# KiCad board io_board.kicad_pcb
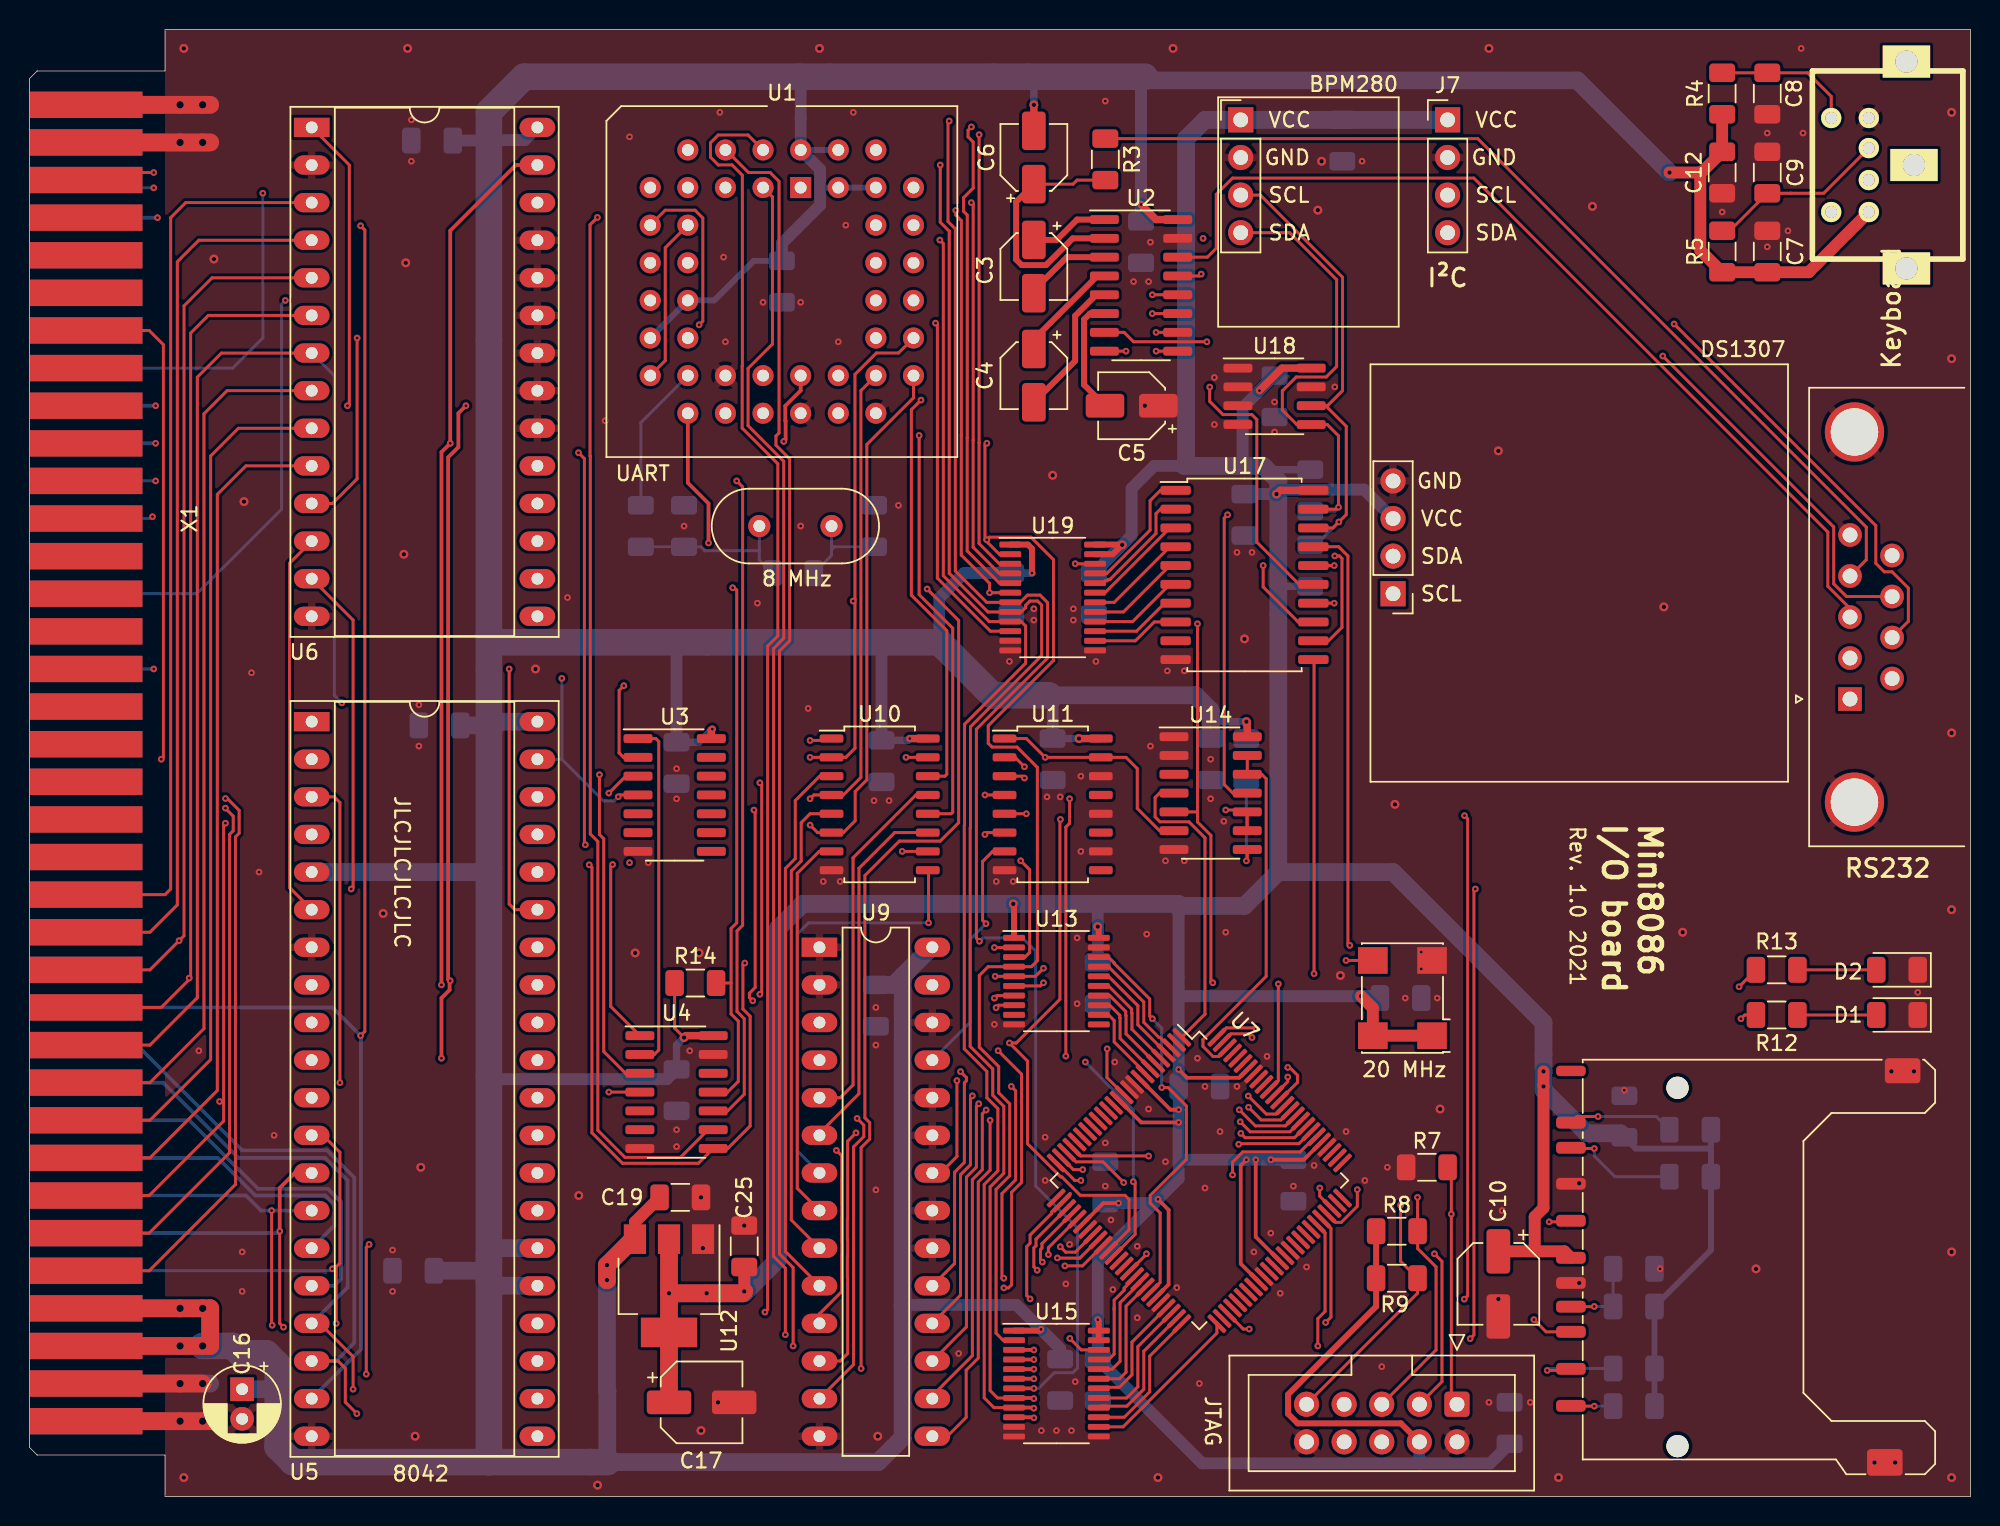
[diagram p0: board, top side]
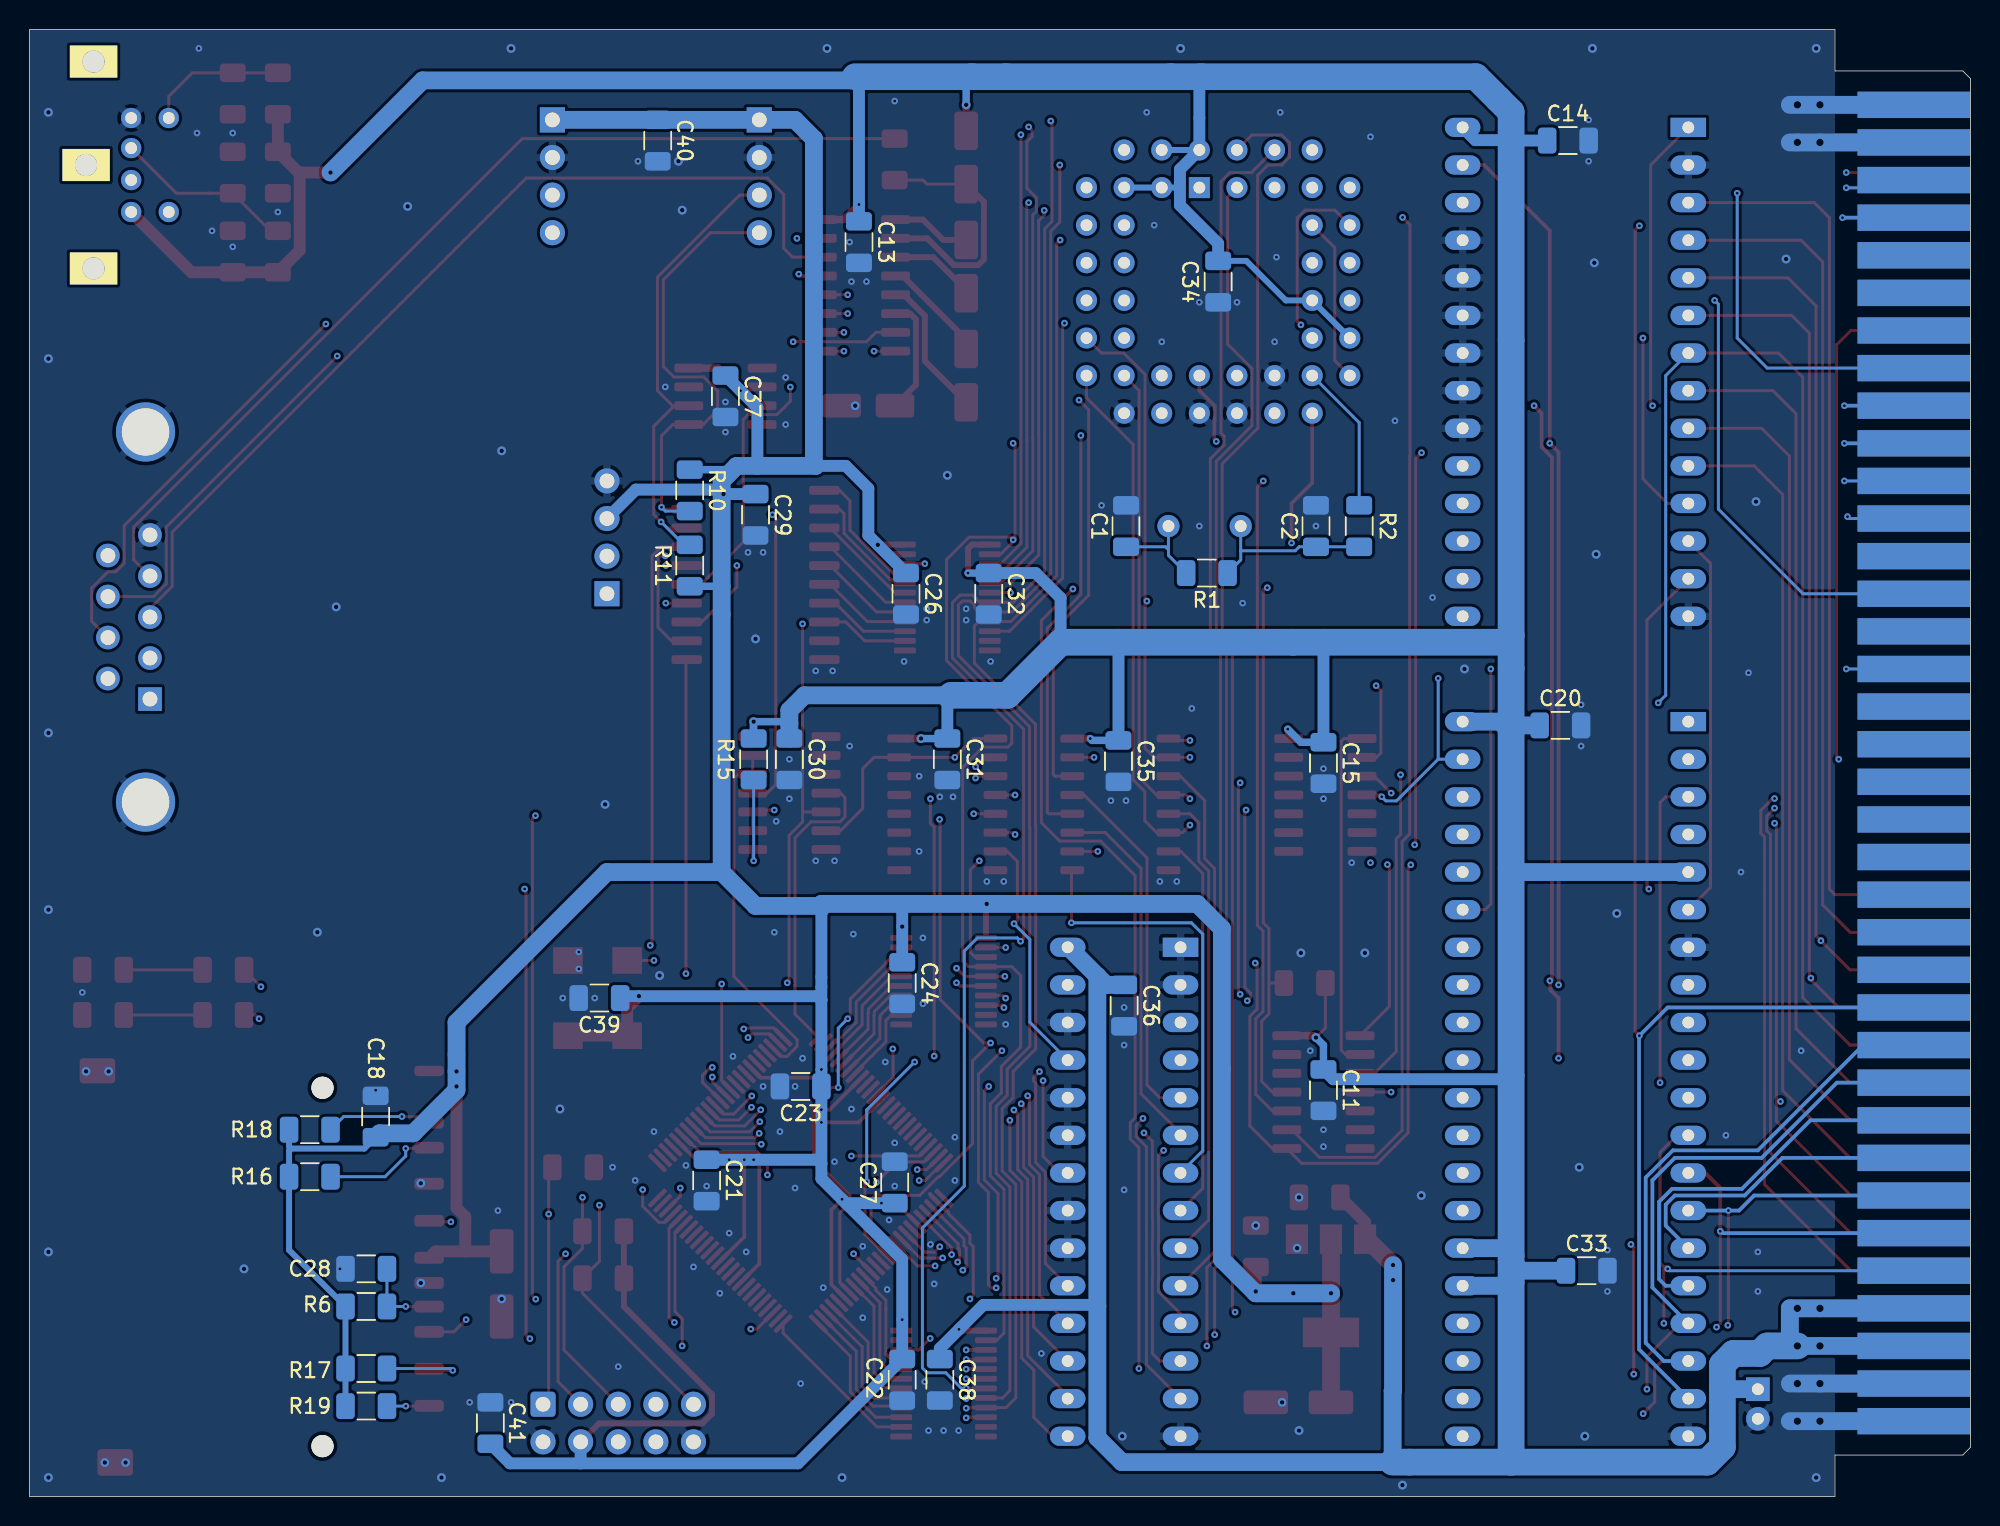
[diagram p1: board, bottom side, seen from below]

Outline 131.06 x 99.06 mm; copper layers: Top, In1.Cu, In2.Cu, Bottom. Coordinates in mm from the lower left corner of the outline.
Outline path: 0,95.76 0.51,96.27 9.14,96.27 9.14,99.06 131.06,99.06 131.06,0 9.14,0 9.14,2.79 0.51,2.79 0,3.3 0,95.76

## Placement (name value [footprint] x y rotation side)
C1  27p  [C_1206_3216Metric]  57.02 65.53 90 bottom
C2  27p  [C_1206_3216Metric]  44.2 65.53 90 bottom
C3  10µ  [CP_Elec_4x3.9]  67.82 83.06 270 top
C4  10µ  [CP_Elec_4x3.9]  67.82 75.69 270 top
C5  10µ  [CP_Elec_4x3.9]  74.42 73.66 180 top
C6  10µ  [CP_Elec_4x3.9]  67.82 90.42 90 top
C7  47p  [C_1206_3216Metric]  117.35 84.07 90 top
C8  47p  [C_1206_3216Metric]  117.35 94.74 270 top
C9  47p  [C_1206_3216Metric]  117.35 89.41 90 top
C10  47µ  [CP_Elec_5x5.4]  99.19 14.35 270 top
C11  100n  [C_1206_3216Metric]  43.69 27.44 270 bottom
C12  100n  [C_1206_3216Metric]  114.3 89.41 270 top
C13  100n  [C_1206_3216Metric]  75.06 84.71 270 bottom
C14  100n  [C_1206_3216Metric]  27.18 91.57 180 bottom
C15  100n  [C_1206_3216Metric]  43.69 49.53 270 bottom
C16  47µ  [CP_Radial_D5.0mm_P2.00mm]  14.35 7.24 270 top
C17  100µ  [CP_Elec_5x5.4]  45.38 6.35 0 top
C18  100n  [C_1206_3216Metric]  107.7 25.65 90 bottom
C19  100n  [C_1206_3216Metric]  43.94 20.19 0 top
C20  100n  [C_1206_3216Metric]  27.69 52.07 180 bottom
C21  100n  [C_1206_3216Metric]  85.34 21.34 270 bottom
C22  100n  [C_1206_3216Metric]  72.14 7.87 270 bottom
C23  100n  [C_1206_3216Metric]  78.99 27.69 0 bottom
C24  100n  [C_1206_3216Metric]  72.14 34.67 270 bottom
C25  100n  [C_1206_3216Metric]  48.26 16.89 90 top
C26  100n  [C_1206_3216Metric]  71.88 60.96 270 bottom
C27  100n  [C_1206_3216Metric]  72.64 21.21 90 bottom
C28  10n  [C_1206_3216Metric]  108.33 15.37 0 bottom
C29  100n  [C_1206_3216Metric]  82.04 66.29 270 bottom
C30  100n  [C_1206_3216Metric]  79.76 49.78 270 bottom
C31  100n  [C_1206_3216Metric]  69.09 49.78 270 bottom
C32  100n  [C_1206_3216Metric]  66.29 60.96 270 bottom
C33  100n  [C_1206_3216Metric]  25.91 15.24 180 bottom
C34  100n  [C_1206_3216Metric]  50.8 82.04 270 bottom
C35  100n  [C_1206_3216Metric]  57.53 49.66 270 bottom
C36  100n  [C_1206_3216Metric]  57.15 33.15 270 bottom
C37  100n  [C_1206_3216Metric]  84.07 74.3 270 bottom
C38  100n  [C_1206_3216Metric]  69.6 7.87 270 bottom
C39  100n  [C_1206_3216Metric]  92.58 33.66 0 bottom
C40  100n  [C_1206_3216Metric]  88.65 91.57 270 bottom
C41  100n  [C_1206_3216Metric]  99.95 4.95 90 bottom
D1  green  [LED_1206_3216Metric]  126.11 32.51 180 top
D2  red  [LED_1206_3216Metric]  126.11 35.56 180 top
J1  RS232  [DSUB-9_Male_Horizontal_P2.77x2.84mm_EdgePinOffset4.94mm_Housed_MountingHolesOffset7.48mm]  122.94 53.85 90 top
J2  Keyboard  [Mini_din6]  125.48 89.92 90 top
J3  SD_Card  [SD_Kyocera_145638109211859+]  116.59 15.49 90 top
J4  JTAG  [IDC-Header_2x05_P2.54mm_Vertical]  96.39 6.22 270 top
J5  DS1307  [PinHeader_1x04_P2.54mm_Vertical]  92.08 60.96 180 top
J6  BME280  [PinHeader_1x04_P2.54mm_Vertical]  81.79 92.96 0 top
J7  I²C  [PinHeader_1x04_P2.54mm_Vertical]  95.76 92.96 0 top
R1  1M  [R_1206_3216Metric]  51.56 62.36 0 bottom
R2  47  [R_1206_3216Metric]  41.28 65.53 90 bottom
R3  3K3  [R_1206_3216Metric]  72.64 90.3 270 top
R4  6K8  [R_1206_3216Metric]  114.3 94.74 90 top
R5  6K8  [R_1206_3216Metric]  114.3 84.07 90 top
R6  4K7  [R_1206_3216Metric]  108.33 12.83 180 bottom
R7  2K2  [R_1206_3216Metric]  94.36 22.22 180 top
R8  10K  [R_1206_3216Metric]  92.33 17.91 180 top
R9  10K  [R_1206_3216Metric]  92.33 14.73 180 top
R10  1K8  [R_1206_3216Metric]  86.49 67.94 270 bottom
R11  1K8  [R_1206_3216Metric]  86.49 62.87 90 bottom
R12  100  [R_1206_3216Metric]  117.98 32.51 0 top
R13  100  [R_1206_3216Metric]  117.98 35.56 0 top
R14  1K  [R_1206_3216Metric]  44.96 34.67 0 top
R15  2K2  [R_1206_3216Metric]  82.17 49.78 270 bottom
R16  4K7  [R_1206_3216Metric]  112.14 21.59 180 bottom
R17  4K7  [R_1206_3216Metric]  108.33 8.64 180 bottom
R18  4K7  [R_1206_3216Metric]  112.14 24.77 180 bottom
R19  4K7  [R_1206_3216Metric]  108.33 6.1 180 bottom
U1  ST16C550CJ44  [PLCC-44_THT-Socket]  52.07 88.39 0 top
U2  MAX232  [SOIC-16_3.9x9.9mm_P1.27mm]  75.06 81.79 0 top
U3  74HC07  [SOIC-14_3.9x8.7mm_P1.27mm]  43.56 47.37 0 top
U4  74HCT04  [SOIC-14_3.9x8.7mm_P1.27mm]  43.69 27.31 0 top
U5  8042  [DIP-40_W15.24mm_Socket_LongPads]  19.05 52.32 0 top
U6  27C512  [DIP-28_W15.24mm_Socket_LongPads]  19.05 92.46 0 top
U7  EPM240T100  [LQFP-100_14x14mm_P0.5mm]  78.99 21.34 315 top
U9  62256  [DIP-28_W7.62mm_LongPads]  53.34 37.08 0 top
U10  74HC367  [SOIC-16_4.55x10.3mm_P1.27mm]  57.4 46.74 0 top
U11  74HC367  [SOIC-16_4.55x10.3mm_P1.27mm]  69.09 46.74 0 top
U12  AMS1117-3.3  [SOT-223-3_TabPin2]  43.18 14.22 270 top
U13  SN74LVC245A  [TSSOP-20_4.4x6.5mm_P0.65mm]  69.34 34.8 0 top
U14  74HCT32  [SOIC-14_3.9x8.7mm_P1.27mm]  79.76 47.5 0 top
U15  SN74LVC8T245PWR  [TSSOP-24_4.4x7.8mm_P0.65mm]  69.34 7.62 0 top
U17  PCA9564D  [SOIC-20W_7.5x12.8mm_P1.27mm]  82.04 62.23 0 top
U18  24C04  [SOIC-8_3.9x4.9mm_P1.27mm]  84.07 74.3 0 top
U19  SN74AVC8T245PW  [TSSOP-24_4.4x7.8mm_P0.65mm]  69.09 60.71 0 top
X1  Edge72  [BUS_72]  3.81 5.08 270 top
X2  20 MHz  [Oscillator_SMD_Abracon_ASV-4Pin_7.0x5.1mm]  92.71 33.66 90 top
Y1  8 MHz  [Crystal_HC49-U_Vertical]  49.28 65.53 0 top

## Library data of the parts
C1 C2 C7-C9 C11-C15 C18-C41 = -: Description: Unpolarized capacitor
D1 D2 = -: Description: Light emitting diode
J2 = -: Description: 6-pin Mini-DIN connector
J3 = -: Description: SD Card Reader
J4 = -: Description: Generic connector, double row, 02x05, odd/even pin numbering scheme (row 1 odd numbers, row 2 even numbers), script generated (kicad-library-utils/schlib/autogen/connector/)
J5-J7 = -: Description: Generic connector, single row, 01x04, script generated (kicad-library-utils/schlib/autogen/connector/)
R1 R2 R12 R13 = -: Description: Resistor, small symbol
R3-R11 R14-R19 = -: Description: Resistor
U1 = -: Description: ST16C550CJ44, Universal Asynchronous Receiver/Transmitter with FIFOs, PLC-44
U2 = -: Description: Dual RS232 driver/receiver, 5V supply, 120kb/s, 0C-70C
U3 = -: Description: Hex Buffers and Drivers With Open Collector High Voltage Outputs
U4 = -: Description: Hex Inverter
U5 = -: Description: MCS-48 8-bit Microcontroller, No (EP)ROM, 256B RAM, DIP-40
U6 = -: Description: OTP EPROM 512 KiBit
U7 = -: Description: Altera MAX2 CPLD with 240 LE
U9 = -: Description: 256K (32K x 8) Static RAM, 70ns, DIP-28
U10 U11 = -: Description: Hex Bus Driver 3-state outputs
U12 = -: Description: 1A Low Dropout regulator, positive, 3.3V fixed output, SOT-223
U13 = -: Description: Octal BUS Transceivers, 3-State outputs
U14 = -: Description: Quad 2-input OR
U15 U19 = -: Description: 8-Bit Dual-Supply Bus Transceiver With Configurable Voltage Translation and 3-State Outputs, TSSOP-24
U17 = -: Description: I2C Bus Controller, SOIC-20
U18 = -: Description: 2Kb (256x8) I2C Serial EEPROM, 2.5-5.5V, SOIC-8
X2 = -: Description: 3.3V HCMOS SMD Crystal Clock Oscillator, Abracon
Y1 = -: Description: Two pin crystal

## Footprints (pads in the part's own frame, mm; a bottom-side part is the same pattern mirrored in y, then rotated)
BUS_72
  rect 1.78x7.62 smd: 1(0,0) 2(-2.54,0) 3(-5.08,0) 4(-7.62,0) 5(-10.16,0) 6(-12.7,0) 7(-15.24,0) 8(-17.78,0) 9(-20.32,0) 10(-22.86,0) 11(-25.4,0) 12(-27.94,0) 13(-30.48,0) 14(-33.02,0) 15(-35.56,0) 16(-38.1,0) 17(-40.64,0) 18(-43.18,0) 19(-45.72,0) 20(-48.26,0) 21(-50.8,0) 22(-53.34,0) 23(-55.88,0) 24(-58.42,0) 25(-60.96,0) 26(-63.5,0) 27(-66.04,0) 28(-68.58,0) 29(-71.12,0) 30(-73.66,0) 31(-76.2,0) 32(-78.74,0) 33(-81.28,0) 34(-83.82,0) 35(-86.36,0) 36(-88.9,0)
  rect 1.78x7.62 smd far side: 37(0,0) 38(-2.54,0) 39(-5.08,0) 40(-7.62,0) 41(-10.16,0) 42(-12.7,0) 43(-15.24,0) 44(-17.78,0) 45(-20.32,0) 46(-22.86,0) 47(-25.4,0) 48(-27.94,0) 49(-30.48,0) 50(-33.02,0) 51(-35.56,0) 52(-38.1,0) 53(-40.64,0) 54(-43.18,0) 55(-45.72,0) 56(-48.26,0) 57(-50.8,0) 58(-53.34,0) 59(-55.88,0) 60(-58.42,0) 61(-60.96,0) 62(-63.5,0) 63(-66.04,0) 64(-68.58,0) 65(-71.12,0) 66(-73.66,0) 67(-76.2,0) 68(-78.74,0) 69(-81.28,0) 70(-83.82,0) 71(-86.36,0) 72(-88.9,0)
C_1206_3216Metric
  rrect 1.25x1.75 smd: 1(-1.4,0) 2(1.4,0)
CP_Elec_4x3.9
  rrect 2.6x1.6 smd: 1(-1.8,0) 2(1.8,0)
CP_Elec_5x5.4
  rrect 3x1.6 smd: 1(-2.2,0) 2(2.2,0)
CP_Radial_D5.0mm_P2.00mm
  rect 1.6x1.6 hole 0.8: 1(0,0)
  round 1.6 hole 0.8: 2(2,0)
Crystal_HC49-U_Vertical
  round 1.5 hole 0.8: 1(0,0) 2(4.88,0)
DIP-28_W7.62mm_LongPads
  rect 2.4x1.3 hole 0.8: 1(0,0)
  oval 2.4x1.3 hole 0.8: 2(0,-2.54) 3(0,-5.08) 4(0,-7.62) 5(0,-10.16) 6(0,-12.7) 7(0,-15.24) 8(0,-17.78) 9(0,-20.32) 10(0,-22.86) 11(0,-25.4) 12(0,-27.94) 13(0,-30.48) 14(0,-33.02) 15(7.62,-33.02) 16(7.62,-30.48) 17(7.62,-27.94) 18(7.62,-25.4) 19(7.62,-22.86) 20(7.62,-20.32) 21(7.62,-17.78) 22(7.62,-15.24) 23(7.62,-12.7) 24(7.62,-10.16) 25(7.62,-7.62) 26(7.62,-5.08) 27(7.62,-2.54) 28(7.62,0)
DIP-28_W15.24mm_Socket_LongPads
  rect 2.4x1.3 hole 0.8: 1(0,0)
  oval 2.4x1.3 hole 0.8: 2(0,-2.54) 3(0,-5.08) 4(0,-7.62) 5(0,-10.16) 6(0,-12.7) 7(0,-15.24) 8(0,-17.78) 9(0,-20.32) 10(0,-22.86) 11(0,-25.4) 12(0,-27.94) 13(0,-30.48) 14(0,-33.02) 15(15.24,-33.02) 16(15.24,-30.48) 17(15.24,-27.94) 18(15.24,-25.4) 19(15.24,-22.86) 20(15.24,-20.32) 21(15.24,-17.78) 22(15.24,-15.24) 23(15.24,-12.7) 24(15.24,-10.16) 25(15.24,-7.62) 26(15.24,-5.08) 27(15.24,-2.54) 28(15.24,0)
DIP-40_W15.24mm_Socket_LongPads
  rect 2.4x1.3 hole 0.8: 1(0,0)
  oval 2.4x1.3 hole 0.8: 2(0,-2.54) 3(0,-5.08) 4(0,-7.62) 5(0,-10.16) 6(0,-12.7) 7(0,-15.24) 8(0,-17.78) 9(0,-20.32) 10(0,-22.86) 11(0,-25.4) 12(0,-27.94) 13(0,-30.48) 14(0,-33.02) 15(0,-35.56) 16(0,-38.1) 17(0,-40.64) 18(0,-43.18) 19(0,-45.72) 20(0,-48.26) 21(15.24,-48.26) 22(15.24,-45.72) 23(15.24,-43.18) 24(15.24,-40.64) 25(15.24,-38.1) 26(15.24,-35.56) 27(15.24,-33.02) 28(15.24,-30.48) 29(15.24,-27.94) 30(15.24,-25.4) 31(15.24,-22.86) 32(15.24,-20.32) 33(15.24,-17.78) 34(15.24,-15.24) 35(15.24,-12.7) 36(15.24,-10.16) 37(15.24,-7.62) 38(15.24,-5.08) 39(15.24,-2.54) 40(15.24,0)
DSUB-9_Male_Horizontal_P2.77x2.84mm_EdgePinOffset4.94mm_Housed_MountingHolesOffset7.48mm
  round 4 hole 3.2: 0(-6.96,-0.3) 0(18.04,-0.3)
  rect 1.6x1.6 hole 1: 1(0,0)
  round 1.6 hole 1: 2(2.77,0) 3(5.54,0) 4(8.31,0) 5(11.08,0) 6(1.385,-2.84) 7(4.155,-2.84) 8(6.925,-2.84) 9(9.695,-2.84)
IDC-Header_2x05_P2.54mm_Vertical
  rrect 1.7x1.7 hole 1: 1(0,0)
  round 1.7 hole 1: 2(2.54,0) 3(0,-2.54) 4(2.54,-2.54) 5(0,-5.08) 6(2.54,-5.08) 7(0,-7.62) 8(2.54,-7.62) 9(0,-10.16) 10(2.54,-10.16)
LED_1206_3216Metric
  rrect 1.25x1.75 smd: 1(-1.4,0) 2(1.4,0)
LQFP-100_14x14mm_P0.5mm
  rrect 1.6x0.3 smd: 1(-7.675,6) 2(-7.675,5.5) 3(-7.675,5) 4(-7.675,4.5) 5(-7.675,4) 6(-7.675,3.5) 7(-7.675,3) 8(-7.675,2.5) 9(-7.675,2) 10(-7.675,1.5) 11(-7.675,1) 12(-7.675,0.5) 13(-7.675,0) 14(-7.675,-0.5) 15(-7.675,-1) 16(-7.675,-1.5) 17(-7.675,-2) 18(-7.675,-2.5) 19(-7.675,-3) 20(-7.675,-3.5) 21(-7.675,-4) 22(-7.675,-4.5) 23(-7.675,-5) 24(-7.675,-5.5) 25(-7.675,-6) 51(7.675,-6) 52(7.675,-5.5) 53(7.675,-5) 54(7.675,-4.5) 55(7.675,-4) 56(7.675,-3.5) 57(7.675,-3) 58(7.675,-2.5) 59(7.675,-2) 60(7.675,-1.5) 61(7.675,-1) 62(7.675,-0.5) 63(7.675,0) 64(7.675,0.5) 65(7.675,1) 66(7.675,1.5) 67(7.675,2) 68(7.675,2.5) 69(7.675,3) 70(7.675,3.5) 71(7.675,4) 72(7.675,4.5) 73(7.675,5) 74(7.675,5.5) 75(7.675,6)
  rrect 0.3x1.6 smd: 26(-6,-7.675) 27(-5.5,-7.675) 28(-5,-7.675) 29(-4.5,-7.675) 30(-4,-7.675) 31(-3.5,-7.675) 32(-3,-7.675) 33(-2.5,-7.675) 34(-2,-7.675) 35(-1.5,-7.675) 36(-1,-7.675) 37(-0.5,-7.675) 38(0,-7.675) 39(0.5,-7.675) 40(1,-7.675) 41(1.5,-7.675) 42(2,-7.675) 43(2.5,-7.675) 44(3,-7.675) 45(3.5,-7.675) 46(4,-7.675) 47(4.5,-7.675) 48(5,-7.675) 49(5.5,-7.675) 50(6,-7.675) 76(6,7.675) 77(5.5,7.675) 78(5,7.675) 79(4.5,7.675) 80(4,7.675) 81(3.5,7.675) 82(3,7.675) 83(2.5,7.675) 84(2,7.675) 85(1.5,7.675) 86(1,7.675) 87(0.5,7.675) 88(0,7.675) 89(-0.5,7.675) 90(-1,7.675) 91(-1.5,7.675) 92(-2,7.675) 93(-2.5,7.675) 94(-3,7.675) 95(-3.5,7.675) 96(-4,7.675) 97(-4.5,7.675) 98(-5,7.675) 99(-5.5,7.675) 100(-6,7.675)
Mini_din6
  round 1.372 hole 0.8: 1(3.175,3.81) 2(3.175,1.27) 3(1.143,1.27) 4(-1.016,1.27) 5(-3.175,1.27) 6(-3.175,3.81)
  rect 2.169x3.2 hole 1.5: GND(-6.985,-1.27) GND(0,-1.778) GND(6.985,-1.27)
Oscillator_SMD_Abracon_ASV-4Pin_7.0x5.1mm
  rect 1.8x2 smd: 1(-2.54,-2) 2(2.54,-2) 3(2.54,2) 4(-2.54,2)
PinHeader_1x04_P2.54mm_Vertical
  rect 1.7x1.7 hole 1: 1(0,0)
  oval 1.7x1.7 hole 1: 2(0,-2.54) 3(0,-5.08) 4(0,-7.62)
PLCC-44_THT-Socket
  rect 1.422x1.422 hole 0.8: 1(0,0)
  round 1.422 hole 0.8: 2(-2.54,2.54) 3(-2.54,0) 4(-5.08,2.54) 5(-5.08,0) 6(-7.62,2.54) 7(-10.16,0) 8(-7.62,0) 9(-10.16,-2.54) 10(-7.62,-2.54) 11(-10.16,-5.08) 12(-7.62,-5.08) 13(-10.16,-7.62) 14(-7.62,-7.62) 15(-10.16,-10.16) 16(-7.62,-10.16) 17(-10.16,-12.7) 18(-7.62,-15.24) 19(-7.62,-12.7) 20(-5.08,-15.24) 21(-5.08,-12.7) 22(-2.54,-15.24) 23(-2.54,-12.7) 24(0,-15.24) 25(0,-12.7) 26(2.54,-15.24) 27(2.54,-12.7) 28(5.08,-15.24) 29(7.62,-12.7) 30(5.08,-12.7) 31(7.62,-10.16) 32(5.08,-10.16) 33(7.62,-7.62) 34(5.08,-7.62) 35(7.62,-5.08) 36(5.08,-5.08) 37(7.62,-2.54) 38(5.08,-2.54) 39(7.62,0) 40(5.08,2.54) 41(5.08,0) 42(2.54,2.54) 43(2.54,0) 44(0,2.54)
R_1206_3216Metric
  rrect 1.25x1.75 smd: 1(-1.4,0) 2(1.4,0)
SD_Kyocera_145638109211859+
  round 1.5 hole 1.5 unplated: (-12.1,5.3) (12.1,5.3)
  rrect 0.8x2 smd: 1(-6.88,12.5) 2(-4.38,12.5) 3(-1.08,12.5) 4(0.62,12.5) 5(3.12,12.5) 6(5.62,12.5) 7(8.05,12.5) 8(9.75,12.5) 9(-9.38,12.5) 10(-2.68,12.5)
  rrect 0.7x2 smd: 11(13.24,12.5)
  rrect 1.7x2.4 smd: 12(13.25,-9.9)
  rrect 1.8x2.4 smd: 13(-13.2,-8.7)
SOIC-8_3.9x4.9mm_P1.27mm
  rrect 1.95x0.6 smd: 1(-2.475,1.905) 2(-2.475,0.635) 3(-2.475,-0.635) 4(-2.475,-1.905) 5(2.475,-1.905) 6(2.475,-0.635) 7(2.475,0.635) 8(2.475,1.905)
SOIC-14_3.9x8.7mm_P1.27mm
  rrect 1.95x0.6 smd: 1(-2.475,3.81) 2(-2.475,2.54) 3(-2.475,1.27) 4(-2.475,0) 5(-2.475,-1.27) 6(-2.475,-2.54) 7(-2.475,-3.81) 8(2.475,-3.81) 9(2.475,-2.54) 10(2.475,-1.27) 11(2.475,0) 12(2.475,1.27) 13(2.475,2.54) 14(2.475,3.81)
SOIC-16_3.9x9.9mm_P1.27mm
  rrect 1.95x0.6 smd: 1(-2.475,4.445) 2(-2.475,3.175) 3(-2.475,1.905) 4(-2.475,0.635) 5(-2.475,-0.635) 6(-2.475,-1.905) 7(-2.475,-3.175) 8(-2.475,-4.445) 9(2.475,-4.445) 10(2.475,-3.175) 11(2.475,-1.905) 12(2.475,-0.635) 13(2.475,0.635) 14(2.475,1.905) 15(2.475,3.175) 16(2.475,4.445)
SOIC-16_4.55x10.3mm_P1.27mm
  rrect 1.6x0.55 smd: 1(-3.25,4.445) 2(-3.25,3.175) 3(-3.25,1.905) 4(-3.25,0.635) 5(-3.25,-0.635) 6(-3.25,-1.905) 7(-3.25,-3.175) 8(-3.25,-4.445) 9(3.25,-4.445) 10(3.25,-3.175) 11(3.25,-1.905) 12(3.25,-0.635) 13(3.25,0.635) 14(3.25,1.905) 15(3.25,3.175) 16(3.25,4.445)
SOIC-20W_7.5x12.8mm_P1.27mm
  rrect 2.05x0.6 smd: 1(-4.65,5.715) 2(-4.65,4.445) 3(-4.65,3.175) 4(-4.65,1.905) 5(-4.65,0.635) 6(-4.65,-0.635) 7(-4.65,-1.905) 8(-4.65,-3.175) 9(-4.65,-4.445) 10(-4.65,-5.715) 11(4.65,-5.715) 12(4.65,-4.445) 13(4.65,-3.175) 14(4.65,-1.905) 15(4.65,-0.635) 16(4.65,0.635) 17(4.65,1.905) 18(4.65,3.175) 19(4.65,4.445) 20(4.65,5.715)
SOT-223-3_TabPin2
  rect 2x1.5 smd: 1(-3.15,2.3) 2(-3.15,0) 3(-3.15,-2.3)
  rect 2x3.8 smd: 2(3.15,0)
TSSOP-20_4.4x6.5mm_P0.65mm
  rrect 1.475x0.4 smd: 1(-2.862,2.925) 2(-2.862,2.275) 3(-2.862,1.625) 4(-2.862,0.975) 5(-2.862,0.325) 6(-2.862,-0.325) 7(-2.862,-0.975) 8(-2.862,-1.625) 9(-2.862,-2.275) 10(-2.862,-2.925) 11(2.862,-2.925) 12(2.862,-2.275) 13(2.862,-1.625) 14(2.862,-0.975) 15(2.862,-0.325) 16(2.862,0.325) 17(2.862,0.975) 18(2.862,1.625) 19(2.862,2.275) 20(2.862,2.925)
TSSOP-24_4.4x7.8mm_P0.65mm
  rrect 1.475x0.4 smd: 1(-2.862,3.575) 2(-2.862,2.925) 3(-2.862,2.275) 4(-2.862,1.625) 5(-2.862,0.975) 6(-2.862,0.325) 7(-2.862,-0.325) 8(-2.862,-0.975) 9(-2.862,-1.625) 10(-2.862,-2.275) 11(-2.862,-2.925) 12(-2.862,-3.575) 13(2.862,-3.575) 14(2.862,-2.925) 15(2.862,-2.275) 16(2.862,-1.625) 17(2.862,-0.975) 18(2.862,-0.325) 19(2.862,0.325) 20(2.862,0.975) 21(2.862,1.625) 22(2.862,2.275) 23(2.862,2.925) 24(2.862,3.575)

## Nets
GND: C1.2 C2.2 C5.1 C7.2 C8.2 C9.2 C10.2 C11.2 C12.2 C13.2 C14.2 C15.2 C16.2 C17.2 C18.2 C19.2 C20.2 C21.2 C22.2 C23.2 C24.2 C25.2 C26.2 C27.2 C28.2 C29.2 C30.2 C31.2 C32.2 C33.2 C34.2 C35.2 C36.2 C37.2 C38.2 C39.2 C40.2 C41.2 D1.1 D2.1 J1.0 J1.5 J2.2 J3.3 J3.6 J3.12 J3.13 J4.2 J4.10 J5.4 J6.2 J7.2 R7.2 U1.21 U1.22 U1.24 U1.28 U2.15 U3.7 U4.7 U4.13 U5.7 U5.20 U6.2 U6.14 U6.20 U6.21 U6.22 U6.23 U6.24 U6.25 U7.10 U7.11 U7.32 U7.46 U7.60 U7.65 U7.79 U7.93 U9.1 U9.2 U9.14 U9.20 U9.21 U9.23 U9.24 U9.26 U10.8 U11.8 U11.10 U11.12 U11.14 U12.1 U13.10 U13.19 U14.1 U14.2 U14.7 U15.11 U15.12 U15.13 U17.10 U18.1 U18.2 U18.3 U18.4 U18.7 U19.11 U19.12 U19.13 X1.1 X1.2 X1.35 X1.36 X1.37 X1.38 X1.71 X1.72 X2.2
VCC: C6.2 C7.1 C11.1 C12.1 C13.1 C14.1 C15.1 C16.1 C19.1 C20.1 C30.1 C31.1 C32.1 C33.1 C34.1 C35.1 C36.1 C38.1 J2.5 R4.1 R5.1 R14.1 R15.1 U1.14 U1.15 U1.41 U1.42 U1.43 U1.44 U2.16 U3.14 U4.14 U5.5 U5.25 U5.26 U5.40 U6.28 U9.28 U10.16 U11.16 U12.3 U14.14 U15.1 U19.1 X1.3 X1.4 X1.39 X1.40
VCC3: C10.1 C17.1 C18.1 C21.1 C22.1 C23.1 C24.1 C25.1 C26.1 C27.1 C29.1 C37.1 C39.1 C40.1 C41.1 J3.4 J4.4 J5.3 J6.1 J7.1 R6.1 R8.2 R9.2 R10.1 R11.1 R16.1 R17.1 R18.1 R19.1 U7.9 U7.13 U7.31 U7.45 U7.59 U7.63 U7.80 U7.94 U12.2 U13.1 U13.20 U15.23 U15.24 U17.20 U18.8 U19.23 U19.24 X2.1 X2.4
/connector/IRQ7: U4.10 X1.62
/I2C/I2C_D0: U17.1 U19.21
/I2C/I2C_D1: U17.2 U19.20
/I2C/I2C_D2: U17.3 U19.19
/I2C/I2C_D3: U17.4 U19.18
/I2C/I2C_D4: U17.5 U19.17
/I2C/I2C_D5: U17.6 U19.16
/I2C/I2C_D6: U17.7 U19.15
/I2C/I2C_D7: U17.8 U19.14
/PS2/KBD_CLK: C8.1 J2.1 R4.2 U3.2 U5.1
/PS2/KBD_DATA: C9.1 J2.3 R5.2 U3.4 U5.39
/PS2/KCLK_OUT: U4.1 U5.37
/PS2/KDATA_OUT: U3.3 U5.38
/PS2/~{PCLK}: U4.4 U5.3
/SD drive/A0_3: U7.7 U13.13
/SD drive/A1_3: U7.8 U13.12
/SD drive/D0_3: U7.41 U15.21
/SD drive/D1_3: U7.42 U15.20
/SD drive/D2_3: U7.43 U15.19
/SD drive/D3_3: U7.47 U15.18
/SD drive/D4_3: U7.48 U15.17
/SD drive/D5_3: U7.49 U15.16
/SD drive/D6_3: U7.50 U15.15
/SD drive/D7_3: U7.51 U15.14
/SD drive/LD_GN: R12.1 U7.99
/SD drive/LD_RD: R13.1 U7.100
/SD drive/MISO: J3.7 R16.2 U7.73
/SD drive/MOSI: J3.2 U7.71
/SD drive/SCLK: J3.5 U7.72
/SD drive/SD misc/~{ACC_BUFFER}: U10.1 U10.15 U11.1 U11.15 U14.6
/SD drive/SD_CS: J3.1 R17.2 U7.70
/SD drive/TCK: J4.1 R7.1 U7.24
/SD drive/TDI: J4.9 R9.1 U7.23
/SD drive/TDO: J4.3 U7.25
/SD drive/TMS: J4.5 R8.1 U7.22
/SD drive/~{CS_BUFFER_3}: U7.6 U13.14
/SD drive/~{CS_DRIVE_3}: U7.3 U13.17
/SD drive/~{RD_3}: U7.4 U13.16
/SD drive/~{RESET_3}: U7.44 U13.18
/SD drive/~{WR_3}: U7.5 U13.15
/serial/CTS: J1.8 U2.8
/serial/CTS_5: U1.40 U2.9
/serial/RCLK: U1.10 U1.17
/serial/RTS: J1.7 U2.7
/serial/RTS_5: U1.36 U2.10
/serial/RX: J1.2 U2.13
/serial/RX_5: U1.11 U2.12
/serial/TX: J1.3 U2.14
/serial/TX_5: U1.13 U2.11
/serial/XTAL1: C1.1 R1.2 U1.18 Y1.2
/serial/XTAL2: R2.2 U1.19
A0: U1.31 U10.2 U13.7 U17.14 X1.5
A1: U1.30 U10.4 U13.8 U17.15 X1.6
A2: U1.29 U5.9 U10.6 X1.7
A3: U6.10 U10.10 X1.8
A4: U6.9 U10.12 X1.9
A5: U6.8 U10.14 X1.10
A6: U6.7 U11.2 X1.11
A7: U6.6 U11.4 X1.12
A8: U6.5 U11.6 X1.13
A9: U6.4 X1.14
A10: U6.3 X1.15
CARD_DET: C28.1 J3.10 R6.2 U7.53
CPLD_CLK: U7.12 X2.3
D0: U1.2 U5.12 U15.3 U19.3 X1.41
D1: U1.3 U5.13 U15.4 U19.4 X1.42
D2: U1.4 U5.14 U15.5 U19.5 X1.43
D3: U1.5 U5.15 U15.6 U19.6 X1.44
D4: U1.6 U5.16 U15.7 U19.7 X1.45
D5: U1.7 U5.17 U15.8 U19.8 X1.46
D6: U1.8 U5.18 U15.9 U19.9 X1.47
D7: U1.9 U5.19 U15.10 U19.10 X1.48
IRQ1: U5.35 X1.57
IRQ4: U1.33 X1.59
IRQ6: U14.11 X1.61
M_~{IO}: U6.26 X1.65
PCLK: U4.3 U5.2 X1.30
RA0: U7.27 U9.10 U10.3
RA1: U7.28 U9.9 U10.5
RA2: U7.29 U9.8 U10.7
RA3: U7.30 U9.7 U10.9
RA4: U7.33 U9.6 U10.11
RA5: U7.34 U9.5 U10.13
RA6: U7.35 U9.4 U11.3